# KiCad board IMXDesign.kicad_pcb
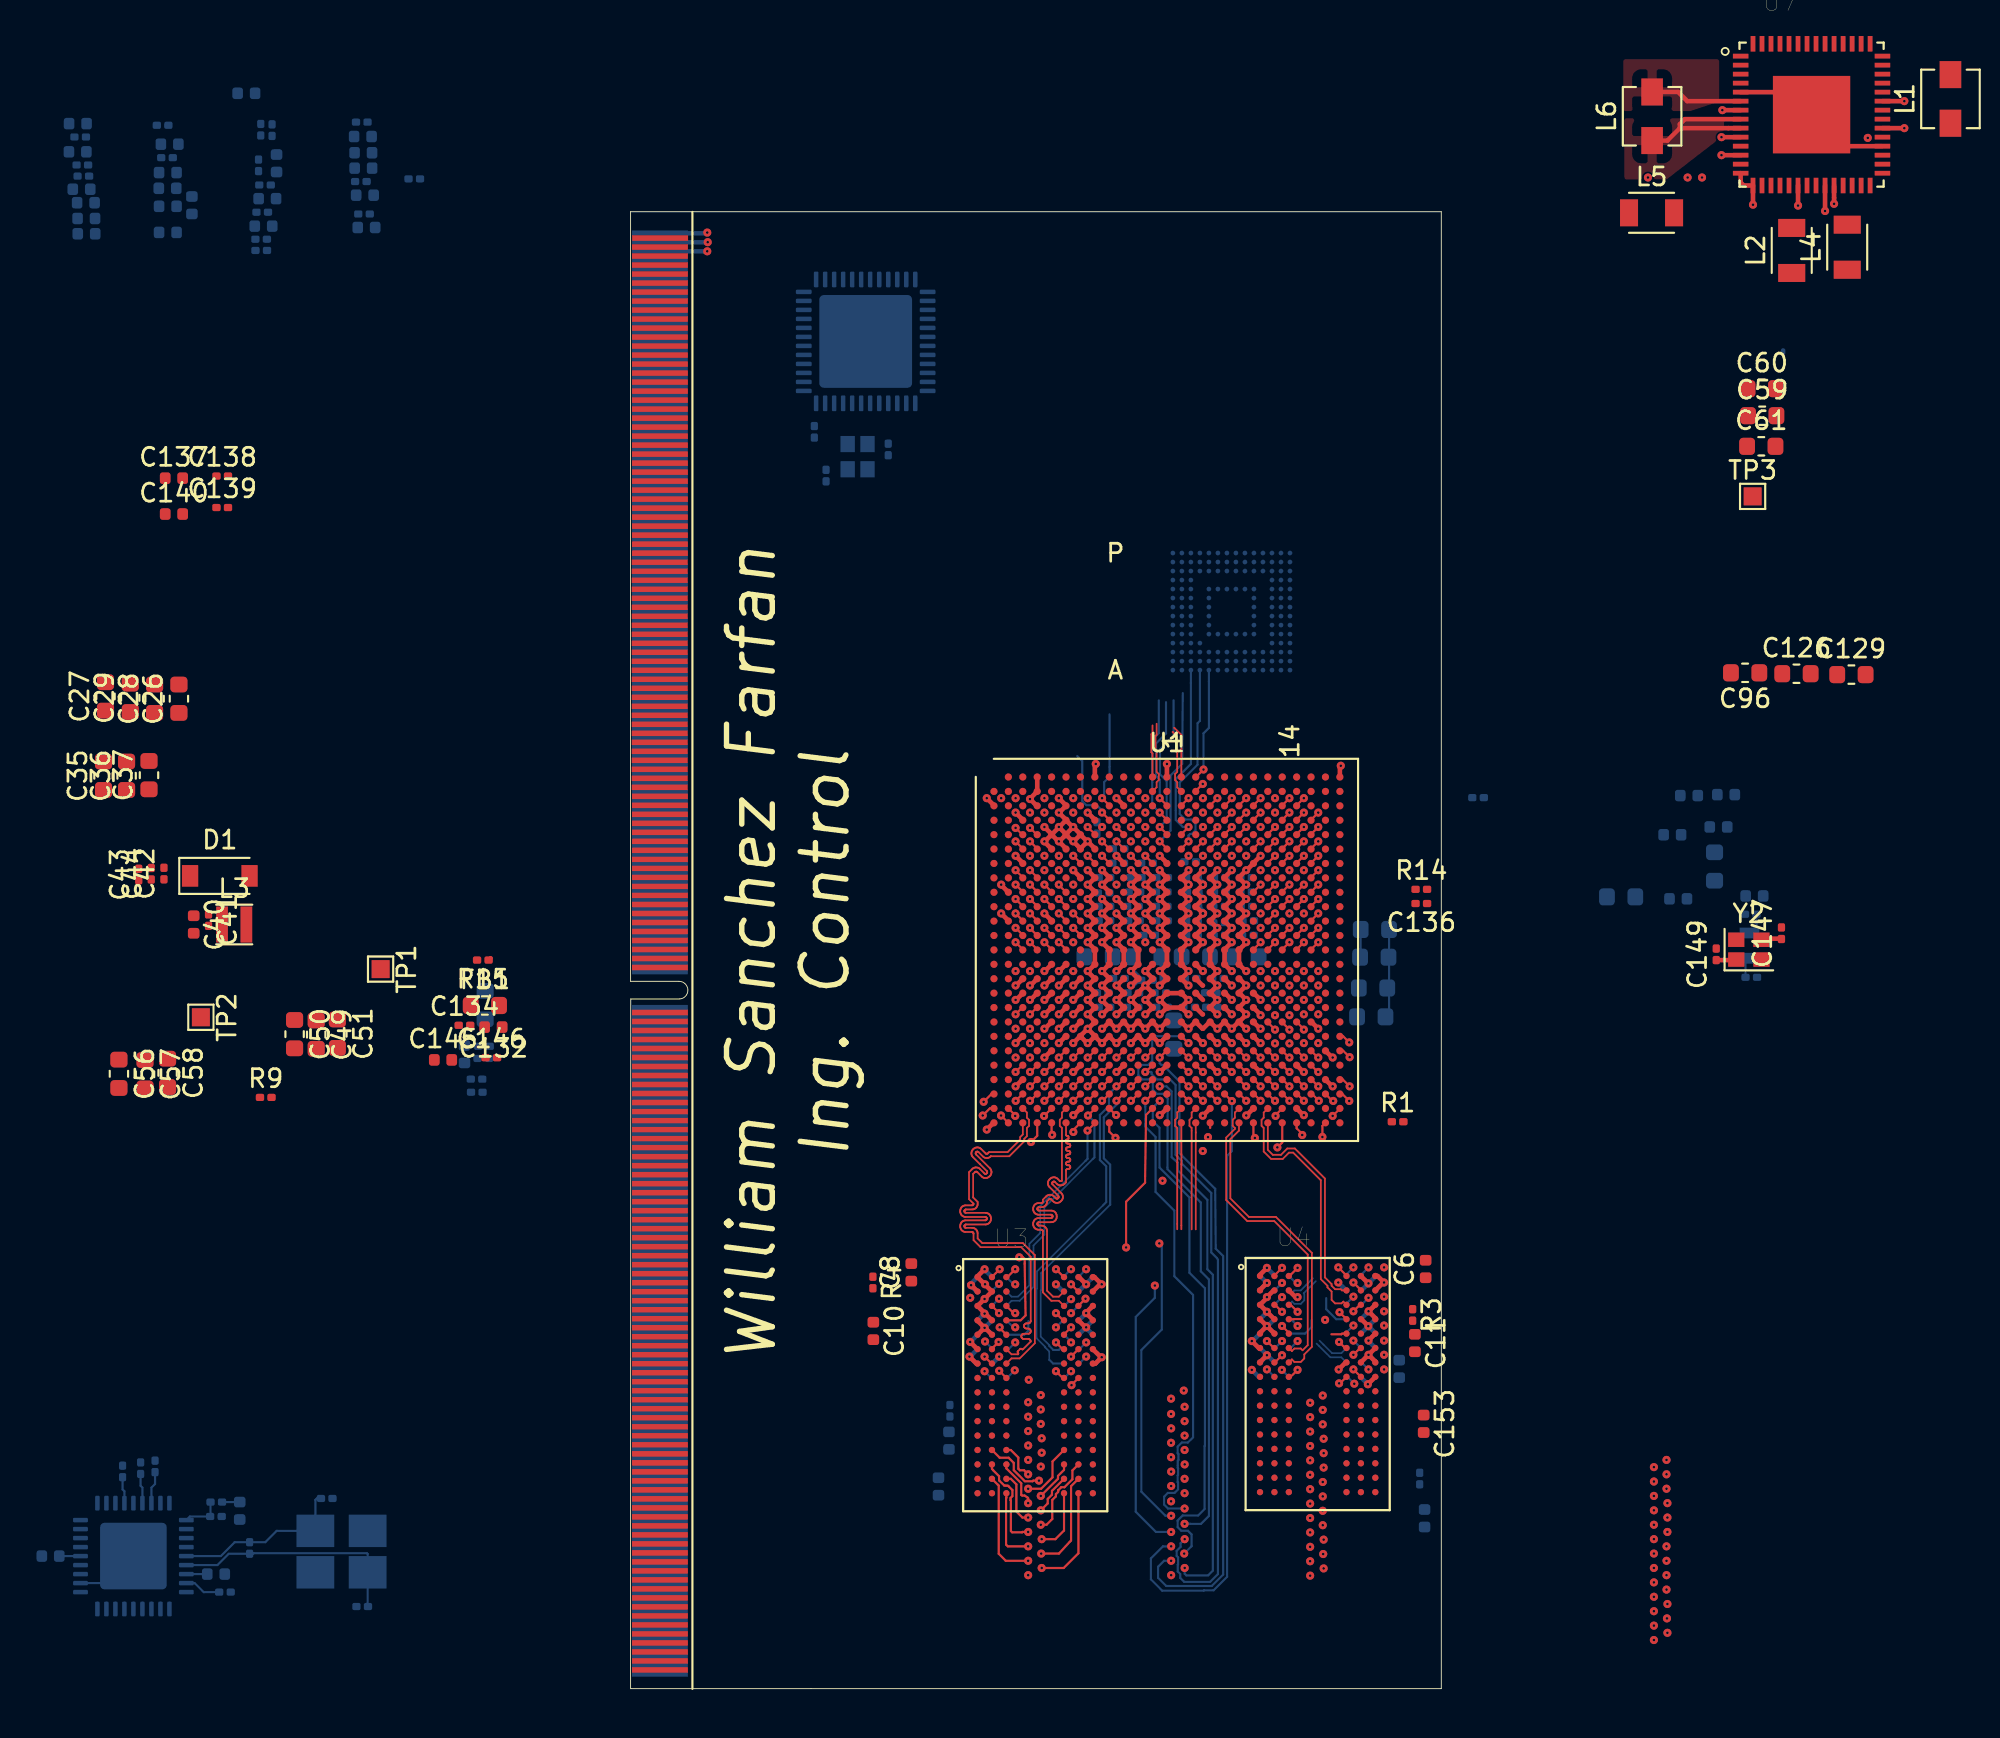
[diagram p0: board, top side]
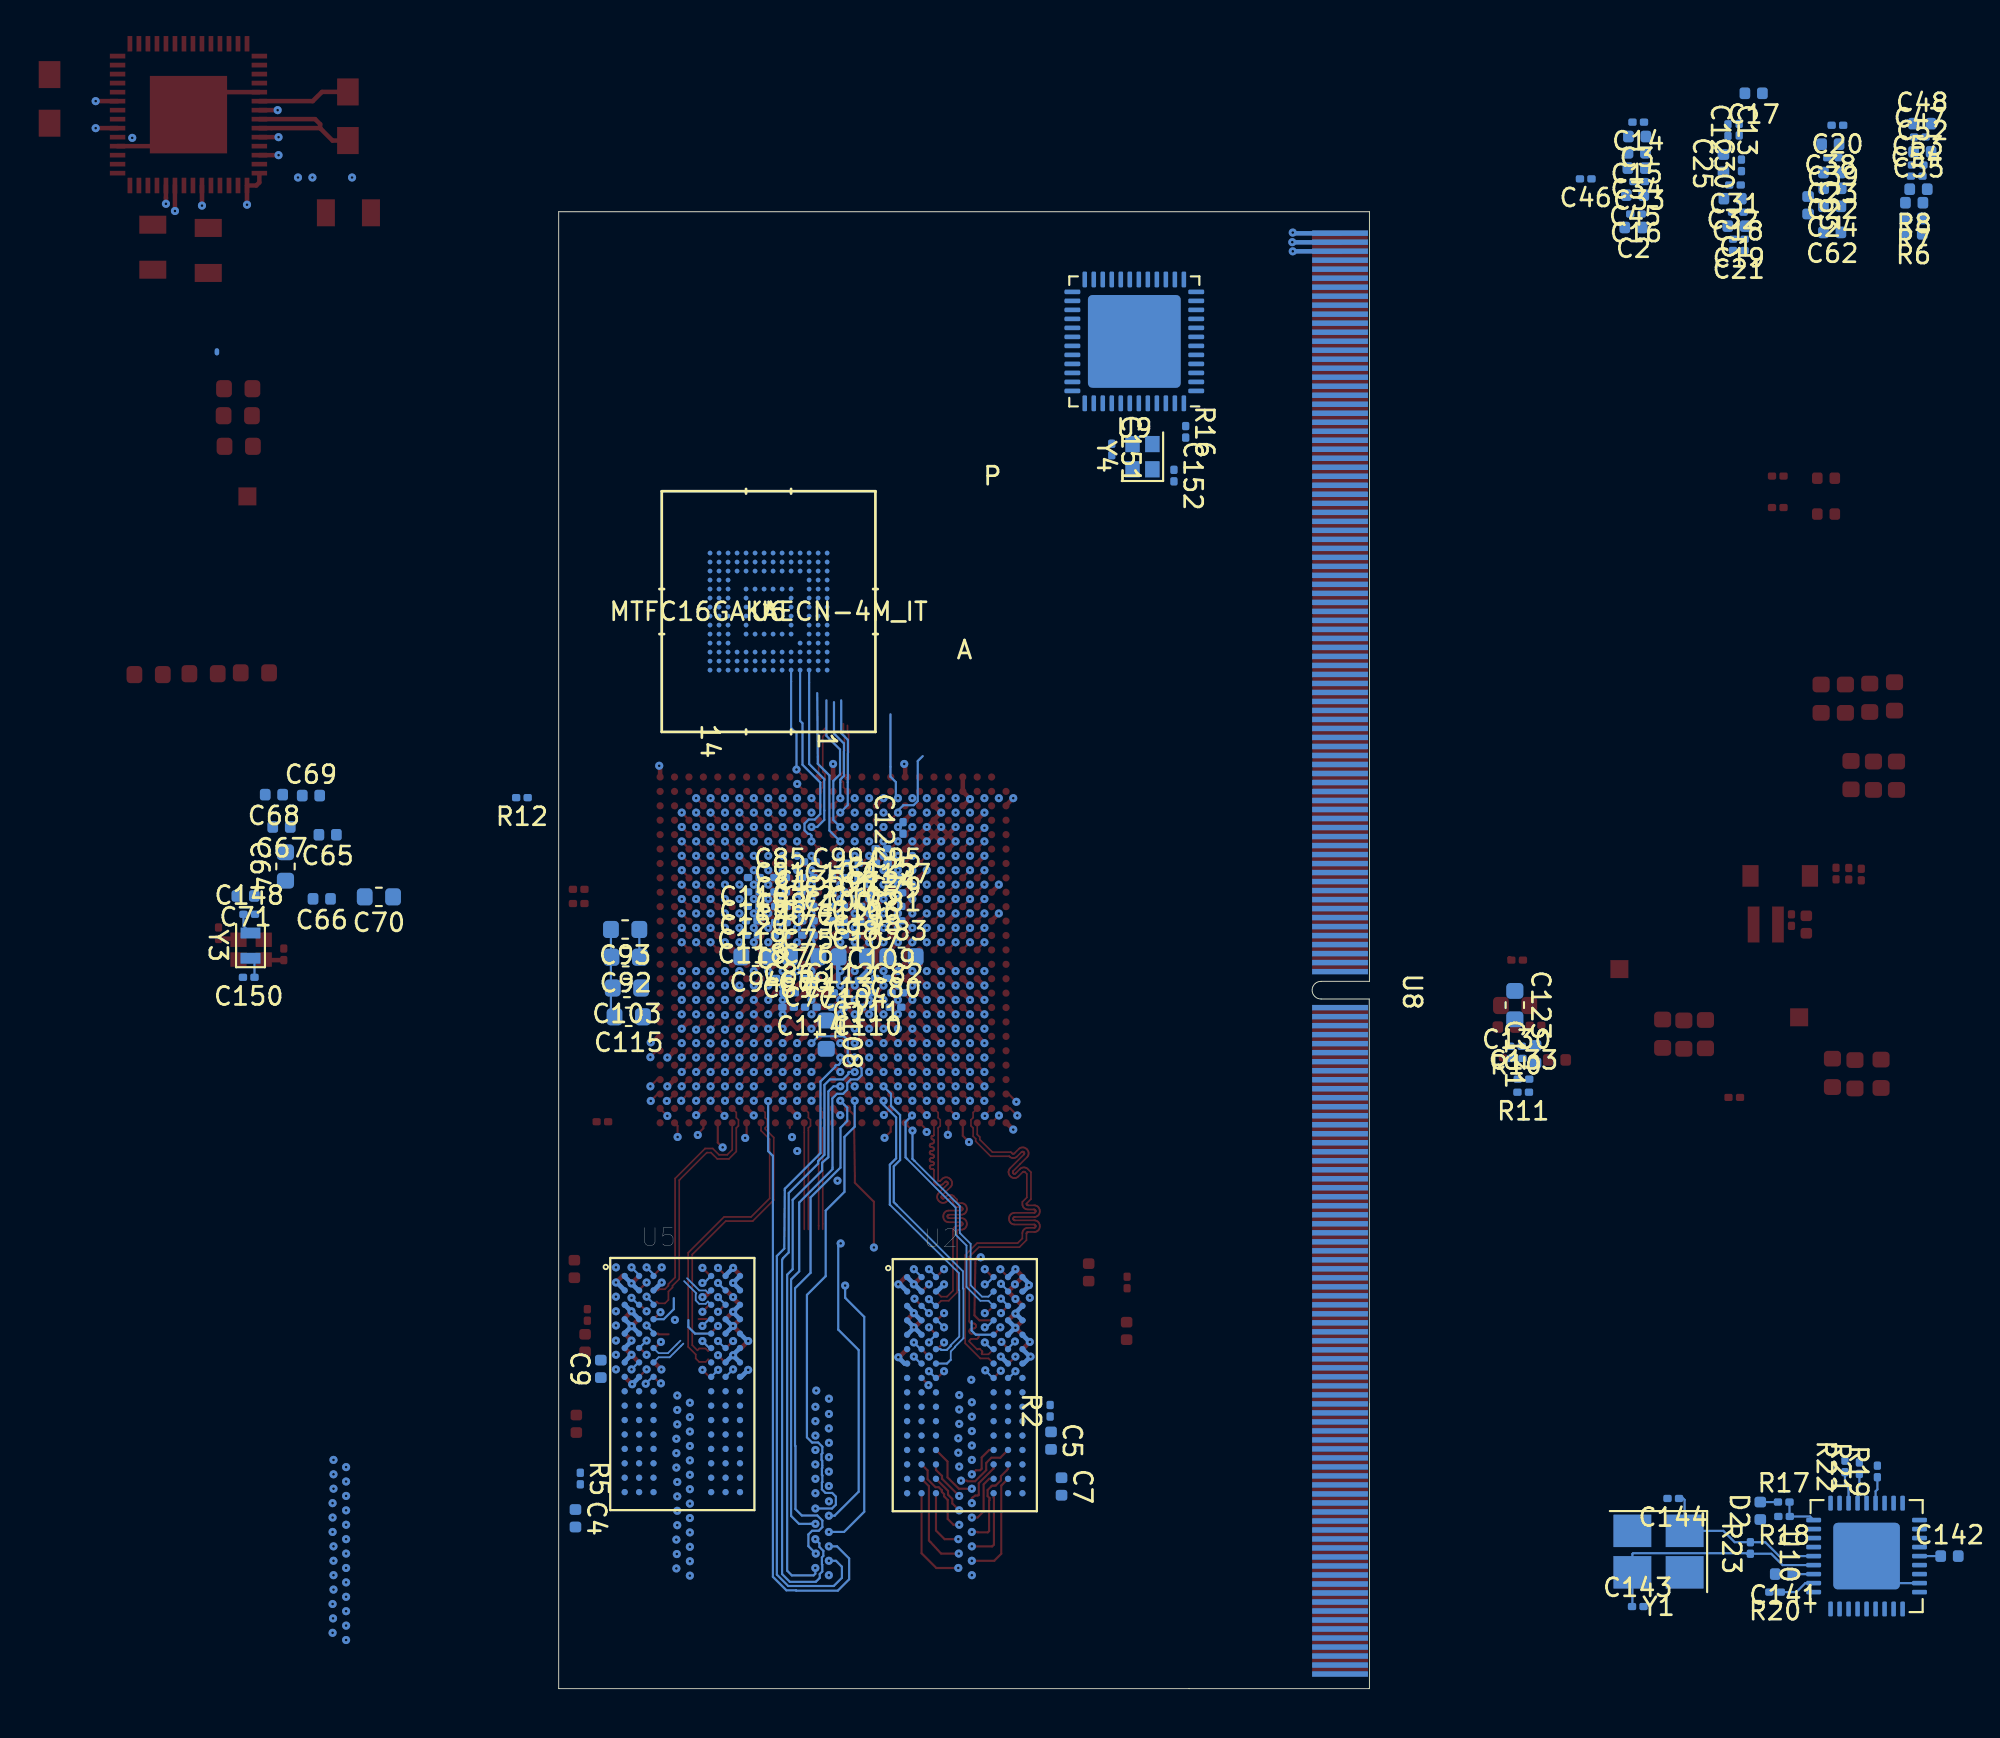
[diagram p1: board, bottom side, seen from below]

Outline 45 x 82 mm; copper layers: Top, GND.Cu (plane), In1.Cu, POWER1.Cu (plane), POWER2.Cu (plane), In2.Cu, GND2.Cu (plane), Bottom. Coordinates in mm from the lower left corner of the outline.
Outline path: 0,39.27 0,82 45,82 45,0 0,0 0.01,38.29 2.69,38.29 arc(3.18,38.78) 2.69,39.27 0,39.27

## Placement (name value [footprint] x y rotation side)
C1  1uf  [C_0402_1005Metric]  -20.38 81.2 0 bottom
C2  1uf  [C_0402_1005Metric]  -14.66 81.12 0 bottom
C3  1uf  [C_0402_1005Metric]  -14.86 86.17 0 bottom
C4  220nF  [C_0402_1005Metric]  44.07 9.46 270 bottom
C5  220nF  [C_0402_1005Metric]  17.67 13.77 270 bottom
C6  220nF  [C_0402_1005Metric]  44.13 23.3 90 top
C7  220nF  [C_0402_1005Metric]  17.09 11.22 270 bottom
C8  220nF  [C_0402_1005Metric]  15.58 23.11 90 top
C9  220nF  [C_0402_1005Metric]  42.66 17.75 90 bottom
C10  220nF  [C_0402_1005Metric]  13.48 19.86 270 top
C11  220nF  [C_0402_1005Metric]  43.53 19.19 270 top
C12  100nF  [C_0201_0603Metric]  -20.53 86.56 90 bottom
C13  100nF  [C_0201_0603Metric]  -19.9 86.53 270 bottom
C14  2.2uF  [C_0201_0603Metric]  -14.92 86.97 0 bottom
C15  4.7uF  [C_0402_1005Metric]  -14.83 85.28 0 bottom
C16  2.2uF  [C_0201_0603Metric]  -14.8 81.88 0 bottom
C17  4.7uF  [C_0402_1005Metric]  -21.33 88.58 0 bottom
C18  2.2uF  [C_0201_0603Metric]  -20.44 81.97 0 bottom
C19  2.2uF  [C_0201_0603Metric]  -20.5 80.47 0 bottom
C20  0.47uF  [C_0201_0603Metric]  -25.98 86.8 0 bottom
C21  100nF  [C_0201_0603Metric]  -20.5 79.85 0 bottom
C22  1uF  [C_0402_1005Metric]  -25.7 83.3 0 bottom
C23  1uF  [C_0402_1005Metric]  -25.69 84.17 0 bottom
C24  1uF  [C_0402_1005Metric]  -25.69 82.3 0 bottom
C25  4.7uF  [C_0402_1005Metric]  -19.65 84.69 90 bottom
C26  22uF  [C_0603_1608Metric]  -25.07 54.96 90 top
C27  22uF  [C_0603_1608Metric]  -29.15 55.09 90 top
C28  22uF  [C_0603_1608Metric]  -26.42 54.96 90 top
C29  22uF  [C_0603_1608Metric]  -27.77 55.01 90 top
C30  100nF  [C_0201_0603Metric]  -20.65 84.58 90 bottom
C31  100nF  [C_0201_0603Metric]  -20.29 83.48 0 bottom
C32  4.7uF  [C_0402_1005Metric]  -20.16 82.72 0 bottom
C33  100nF  [C_0201_0603Metric]  -14.97 83.67 0 bottom
C34  4.7uF  [C_0402_1005Metric]  -14.83 84.42 0 bottom
C35  22uF  [C_0603_1608Metric]  -29.26 50.69 90 top
C36  22uF  [C_0603_1608Metric]  -27.98 50.69 90 top
C37  22uF  [C_0603_1608Metric]  -26.73 50.72 90 top
C38  2.2uF  [C_0402_1005Metric]  -25.59 85.75 0 bottom
C39  100nF  [C_0201_0603Metric]  -25.73 85 0 bottom
C40  4.7uF  [C_0402_1005Metric]  -24.25 42.42 270 top
C41  100nF  [C_0201_0603Metric]  -23.42 42.67 270 top
C42  10nF  [C_0201_0603Metric]  -25.9 45.25 90 top
C43  22uF  [C_0201_0603Metric]  -27.3 45.2 90 top
C44  22uF  [C_0201_0603Metric]  -26.6 45.25 90 top
C45  4.7uF  [C_0402_1005Metric]  -14.74 82.92 0 bottom
C46  100nF  [C_0201_0603Metric]  -12 83.83 0 bottom
C47  100nF  [C_0201_0603Metric]  -30.55 86.15 180 bottom
C48  4.7uF  [C_0402_1005Metric]  -30.68 86.89 180 bottom
C49  22uF  [C_0603_1608Metric]  -17.45 36.31 270 top
C50  22uF  [C_0603_1608Metric]  -18.65 36.34 270 top
C51  22uF  [C_0603_1608Metric]  -16.28 36.36 270 top
C52  4.7uF  [C_0402_1005Metric]  -30.69 85.33 180 bottom
C53  100nF  [C_0201_0603Metric]  -30.43 84.59 180 bottom
C54  100nF  [C_0201_0603Metric]  -30.38 83.97 180 bottom
C55  4.7uF  [C_0402_1005Metric]  -30.48 83.25 180 bottom
C56  22uF  [C_0603_1608Metric]  -28.4 34.14 270 top
C57  22uF  [C_0603_1608Metric]  -26.95 34.11 270 top
C58  22uF  [C_0603_1608Metric]  -25.7 34.19 270 top
C59  22uF  [C_0603_1608Metric]  62.81 70.67 0 top
C60  22uF  [C_0603_1608Metric]  62.79 72.17 0 top
C61  22uF  [C_0603_1608Metric]  62.76 68.97 0 top
C62  1uF  [C_0402_1005Metric]  -25.69 80.85 0 bottom
C63  1uF  [C_0402_1005Metric]  -24.35 82.36 270 bottom
C64  4.7uF  [C_0603_1608Metric]  60.16 45.65 90 bottom
C65  100nF  [C_0402_1005Metric]  57.82 47.41 0 bottom
C66  100nF  [C_0402_1005Metric]  58.15 43.85 0 bottom
C67  100nF  [C_0402_1005Metric]  60.38 47.84 0 bottom
C68  100nF  [C_0402_1005Metric]  60.81 49.64 0 bottom
C69  100nF  [C_0402_1005Metric]  58.75 49.58 180 bottom
C70  4.7uF  [C_0603_1608Metric]  54.98 43.96 0 bottom
C71  100nF  [C_0402_1005Metric]  62.38 44.01 0 bottom
C72  220nF  [C_0201_0603Metric]  31.17 45.03 0 bottom
C73  220nF  [C_0201_0603Metric]  31.19 43.43 0 bottom
C74  220nF  [C_0201_0603Metric]  31.21 44.23 0 bottom
C75  220nF  [C_0201_0603Metric]  31.17 42.63 0 bottom
C76  220nF  [C_0201_0603Metric]  31.17 41.83 0 bottom
C77  220nF  [C_0201_0603Metric]  31.09 39.43 0 bottom
C78  22uF  [C_0603_1608Metric]  31.37 40.63 0 bottom
C79  220nF  [C_0201_0603Metric]  26.31 43.43 180 bottom
C80  220nF  [C_0201_0603Metric]  26.31 37.83 180 bottom
C81  220nF  [C_0201_0603Metric]  26.31 42.63 180 bottom
C82  220nF  [C_0201_0603Metric]  26.21 38.63 180 bottom
C83  22uF  [C_0603_1608Metric]  25.97 40.63 180 bottom
C84  220nF  [C_0201_0603Metric]  32.67 43.43 180 bottom
C85  220nF  [C_0201_0603Metric]  32.71 45.03 180 bottom
C86  220nF  [C_0201_0603Metric]  32.21 38.63 180 bottom
C87  220nF  [C_0201_0603Metric]  32.61 39.43 180 bottom
C88  220nF  [C_0201_0603Metric]  32.67 42.53 180 bottom
C89  220nF  [C_0201_0603Metric]  32.27 37.83 180 bottom
C90  220nF  [C_0201_0603Metric]  32.69 41.83 180 bottom
C91  220nF  [C_0201_0603Metric]  32.71 44.23 180 bottom
C92  22uF  [C_0603_1608Metric]  41.28 40.61 0 bottom
C93  22uF  [C_0603_1608Metric]  41.31 42.15 0 bottom
C94  22uF  [C_0603_1608Metric]  34.07 40.63 0 bottom
C95  220nF  [C_0201_0603Metric]  26.31 45.03 180 bottom
C96  22uF  [C_0603_1608Metric]  61.86 56.4 180 top
C97  220nF  [C_0201_0603Metric]  28.67 45.83 0 bottom
C98  22uF  [C_0603_1608Metric]  28.67 40.63 180 bottom
C99  220nF  [C_0201_0603Metric]  29.51 45.03 180 bottom
C100  220nF  [C_0201_0603Metric]  29.51 42.63 180 bottom
C101  220nF  [C_0201_0603Metric]  29.49 43.43 180 bottom
C102  220nF  [C_0201_0603Metric]  29.49 44.23 180 bottom
C103  22uF  [C_0603_1608Metric]  41.21 38.9 0 bottom
C104  220nF  [C_0201_0603Metric]  28.67 39.33 0 bottom
C105  220nF  [C_0201_0603Metric]  28.04 45.03 0 bottom
C106  220nF  [C_0201_0603Metric]  27.97 44.23 0 bottom
C107  220nF  [C_0201_0603Metric]  27.94 42.63 0 bottom
C108  22uF  [C_0603_1608Metric]  30.15 36.31 270 bottom
C109  220nF  [C_0201_0603Metric]  27.11 39.43 180 bottom
C110  220nF  [C_0201_0603Metric]  27.87 37.83 0 bottom
C111  220nF  [C_0201_0603Metric]  27.91 38.63 0 bottom
C112  220nF  [C_0201_0603Metric]  29.41 38.63 180 bottom
C113  220nF  [C_0201_0603Metric]  29.51 37.83 180 bottom
C114  220nF  [C_0201_0603Metric]  31.01 37.83 0 bottom
C115  22uF  [C_0603_1608Metric]  41.11 37.3 0 bottom
C116  220nF  [C_0201_0603Metric]  34.17 45.03 0 bottom
C117  220nF  [C_0201_0603Metric]  34.17 44.23 0 bottom
C118  220nF  [C_0201_0603Metric]  34.27 41.83 0 bottom
C119  220nF  [C_0201_0603Metric]  34.29 42.63 0 bottom
C120  220nF  [C_0201_0603Metric]  34.19 43.43 0 bottom
C121  220nF  [C_0201_0603Metric]  28.79 41.83 180 bottom
C122  220nF  [C_0201_0603Metric]  25.89 47.79 90 bottom
C123  22uF  [C_0603_1608Metric]  -8.07 37.95 270 bottom
C124  220nF  [C_0201_0603Metric]  27.07 45.83 0 bottom
C125  10uF  [C_0201_0603Metric]  27.09 46.63 0 bottom
C126  22uF  [C_0603_1608Metric]  64.71 56.35 0 top
C127  10nF  [C_0201_0603Metric]  26.26 44.18 180 bottom
C128  220nF  [C_0201_0603Metric]  27.89 43.43 0 bottom
C129  22uF  [C_0603_1608Metric]  67.76 56.3 0 top
C130  220nF  [C_0201_0603Metric]  -8.17 34.99 180 bottom
C131  4.7uF  [C_0402_1005Metric]  -9.22 35.22 90 bottom
C132  4.7uF  [C_0402_1005Metric]  -7.61 36.73 180 top
C133  220nF  [C_0201_0603Metric]  -8.55 33.84 180 bottom
C134  220nF  [C_0201_0603Metric]  -9.22 36.83 0 top
C135  220nF  [C_0201_0603Metric]  31.06 45.91 0 bottom
C136  220nF  [C_0201_0603Metric]  43.89 43.59 180 top
C137  4.7uF  [C_0402_1005Metric]  -25.34 67.2 0 top
C138  220nF  [C_0201_0603Metric]  -22.66 67.32 0 top
C139  220nF  [C_0201_0603Metric]  -22.66 65.57 0 top
C140  4.7uF  [C_0402_1005Metric]  -25.34 65.21 0 top
C141  1uF  [C_0402_1005Metric]  -23.01 6.36 0 bottom
C142  1uF  [C_0402_1005Metric]  -32.2 7.36 180 bottom
C143  18pF  [C_0201_0603Metric]  -14.89 4.56 180 bottom
C144  18pF  [C_0201_0603Metric]  -16.86 10.56 0 bottom
C145  4.7uF  [C_0402_1005Metric]  -10.41 34.91 0 top
C146  220nF  [C_0201_0603Metric]  -7.73 35.03 0 top
C147  18pF  [C_0201_0603Metric]  63.88 41.94 90 top
C148  18pF  [C_0201_0603Metric]  62.18 42.99 180 bottom
C149  18pF  [C_0201_0603Metric]  60.26 40.77 90 top
C150  18pF  [C_0201_0603Metric]  62.21 39.49 0 bottom
C151  18pF  [C_0201_0603Metric]  14.3 68.8 270 bottom
C152  18pF  [C_0201_0603Metric]  10.85 67.35 270 bottom
C153  100nF  [C_0402_1005Metric]  44.02 14.71 270 top
D1  MBR140SFT1G  [D_SOD-123]  -22.8 45.12 0 top
D2  Orange  [R_0402_1005Metric]  -21.7 9.88 90 bottom
FB1  220R, 2.5A  [Fuse_0603_1608Metric]  -8.09 37.93 0 top
L1  1u/3.9A  [L_Vishay_IHLP-1212]  73.26 88.26 90 top
L2  1u/2.6A  [L_TDK_NLV25_2.5x2.0mm]  64.45 79.85 90 top
L3  2.2uH  [L_Taiyo-Yuden_NR-20xx]  -22 42.42 0 top
L4  1u/2.6A  [L_TDK_NLV25_2.5x2.0mm]  67.53 80.03 90 top
L5  1u/2.6A  [L_TDK_NLV25_2.5x2.0mm]  56.67 81.94 0 top
L6  1u/3.9A  [L_Vishay_IHLP-1212]  56.7 87.3 90 top
R1  240  [R_0201_0603Metric]  42.58 31.47 0 top
R2  240  [R_0201_0603Metric]  17.72 15.43 90 bottom
R3  240  [R_0201_0603Metric]  43.41 20.75 270 top
R4  240  [R_0201_0603Metric]  13.45 22.55 270 top
R5  240  [R_0201_0603Metric]  43.8 11.66 270 bottom
R6  100k  [R_0402_1005Metric]  -30.2 80.78 0 bottom
R7  100k  [R_0402_1005Metric]  -30.21 81.62 0 bottom
R8  100k  [R_0402_1005Metric]  -30.23 82.5 0 bottom
R9  200  [R_0201_0603Metric]  -20.25 32.82 0 top
R10  0  [R_0201_0603Metric]  -8.13 35.66 0 bottom
R11  0  [R_0201_0603Metric]  -8.53 33.11 0 bottom
R12  191  [R_0201_0603Metric]  47.04 49.47 0 bottom
R14  0  [R_0201_0603Metric]  43.89 44.38 0 top
R15  1.6K  [R_0201_0603Metric]  -8.2 40.45 180 top
R16  12k1  [R_0201_0603Metric]  10.2 69.78 270 bottom
R17  1k  [R_0201_0603Metric]  -22.99 10.36 180 bottom
R18  100k  [R_0201_0603Metric]  -23.02 9.56 0 bottom
R19  100k  [R_0201_0603Metric]  -28.2 12.06 90 bottom
R20  12k  [R_0201_0603Metric]  -22.52 5.36 0 bottom
R21  100k  [R_0201_0603Metric]  -27.2 12.24 90 bottom
R22  100k  [R_0201_0603Metric]  -26.4 12.34 90 bottom
R23  1M  [R_0201_0603Metric]  -21.15 7.81 90 bottom
TP1  3v3  [TestPoint_Pad_1.0x1.0mm]  -13.88 39.95 270 top
TP2  1v375  [TestPoint_Pad_1.0x1.0mm]  -23.85 37.28 270 top
TP3  3v3  [TestPoint_Pad_1.0x1.0mm]  62.28 66.19 0 top
U1  MCIMX6QP5EVT  [BGA-624_21.0x21.0mm_Layout25x25_P0.8mm]  29.77 41.02 0 top
U2  MT41K128M16JT-107_K  [BGA80P96C6X16_800X1400X110]  22.46 16.85 180 bottom
U3  MT41K128M16JT-107_K  [BGA80P96C6X16_800X1400X110]  22.46 16.85 0 top
U4  MT41K128M16JT-107_K  [BGA80P96C6X16_800X1400X110]  38.14 16.91 0 top
U5  MT41K128M16JT-107_K-MT41K128M16JT-107_K  [BGA80P96C6X16_800X1400X110]  38.14 16.91 180 bottom
U6  MTFC16GAKAECN-4M_IT  [MTFC16GAKAECN-4M IT]  33.35 59.8 0 bottom
U7  W_MMPF0100  [QFN50P800X800X100-57N]  65.55 87.39 0 top
U8  IMX6ModuleConector_300  [IMX6QPModule_R300]  -1.37 38.79 270 top
U9  KSZ9031RNXCA  [QFN-48-1EP_7x7mm_P0.5mm_EP5.15x5.15mm]  13.05 74.8 0 bottom
U10  USB2514B_Bi  [QFN-36-1EP_6x6mm_P0.5mm_EP3.7x3.7mm]  -27.59 7.36 90 bottom
Y1  24MHz  [Crystal_SMD_3225-4Pin_3.2x2.5mm_HandSoldering]  -16.05 7.61 0 bottom
Y2  24MHz  [Crystal_SMD_2016-4Pin_2.0x1.6mm]  62.07 41.03 0 top
Y3  32.768KHz  [Crystal_SMD_2012-2Pin_2.0x1.2mm]  62.11 41.25 90 bottom
Y4  25MHz  [Crystal_SMD_2016-4Pin_2.0x1.6mm]  12.6 68.4 90 bottom
